# Altium PCB ROS-Robot-Controller焊接.PcbDoc (part 1 of 2)
Units mil, origin at the board's own origin, x right, y up, seen from the top; angles counter-clockwise.
Board outline 1972.2 x 2530.91 mil, 2 copper layers (Top Layer, Bottom Layer); 82 components, 85 nets, 425 pads, 289 vias.
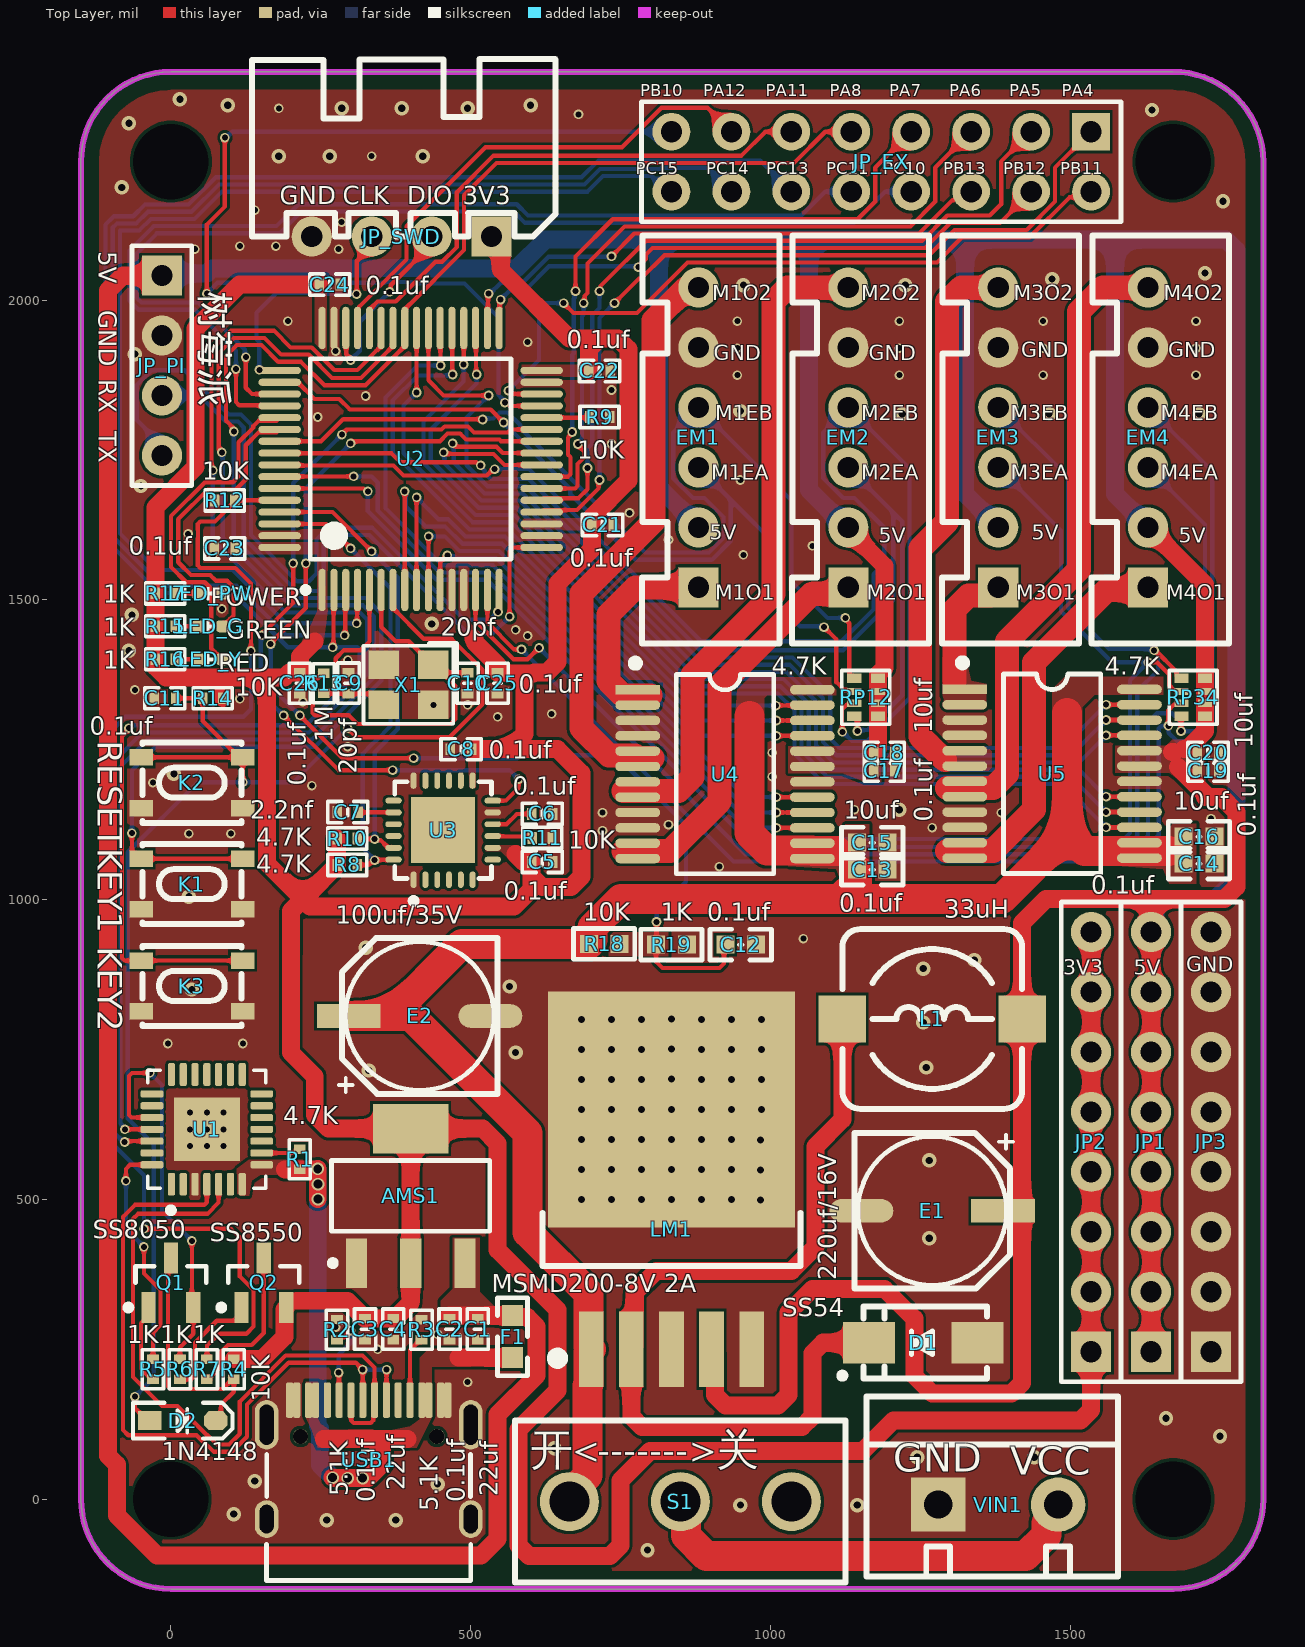
[diagram p0: Top Layer view]
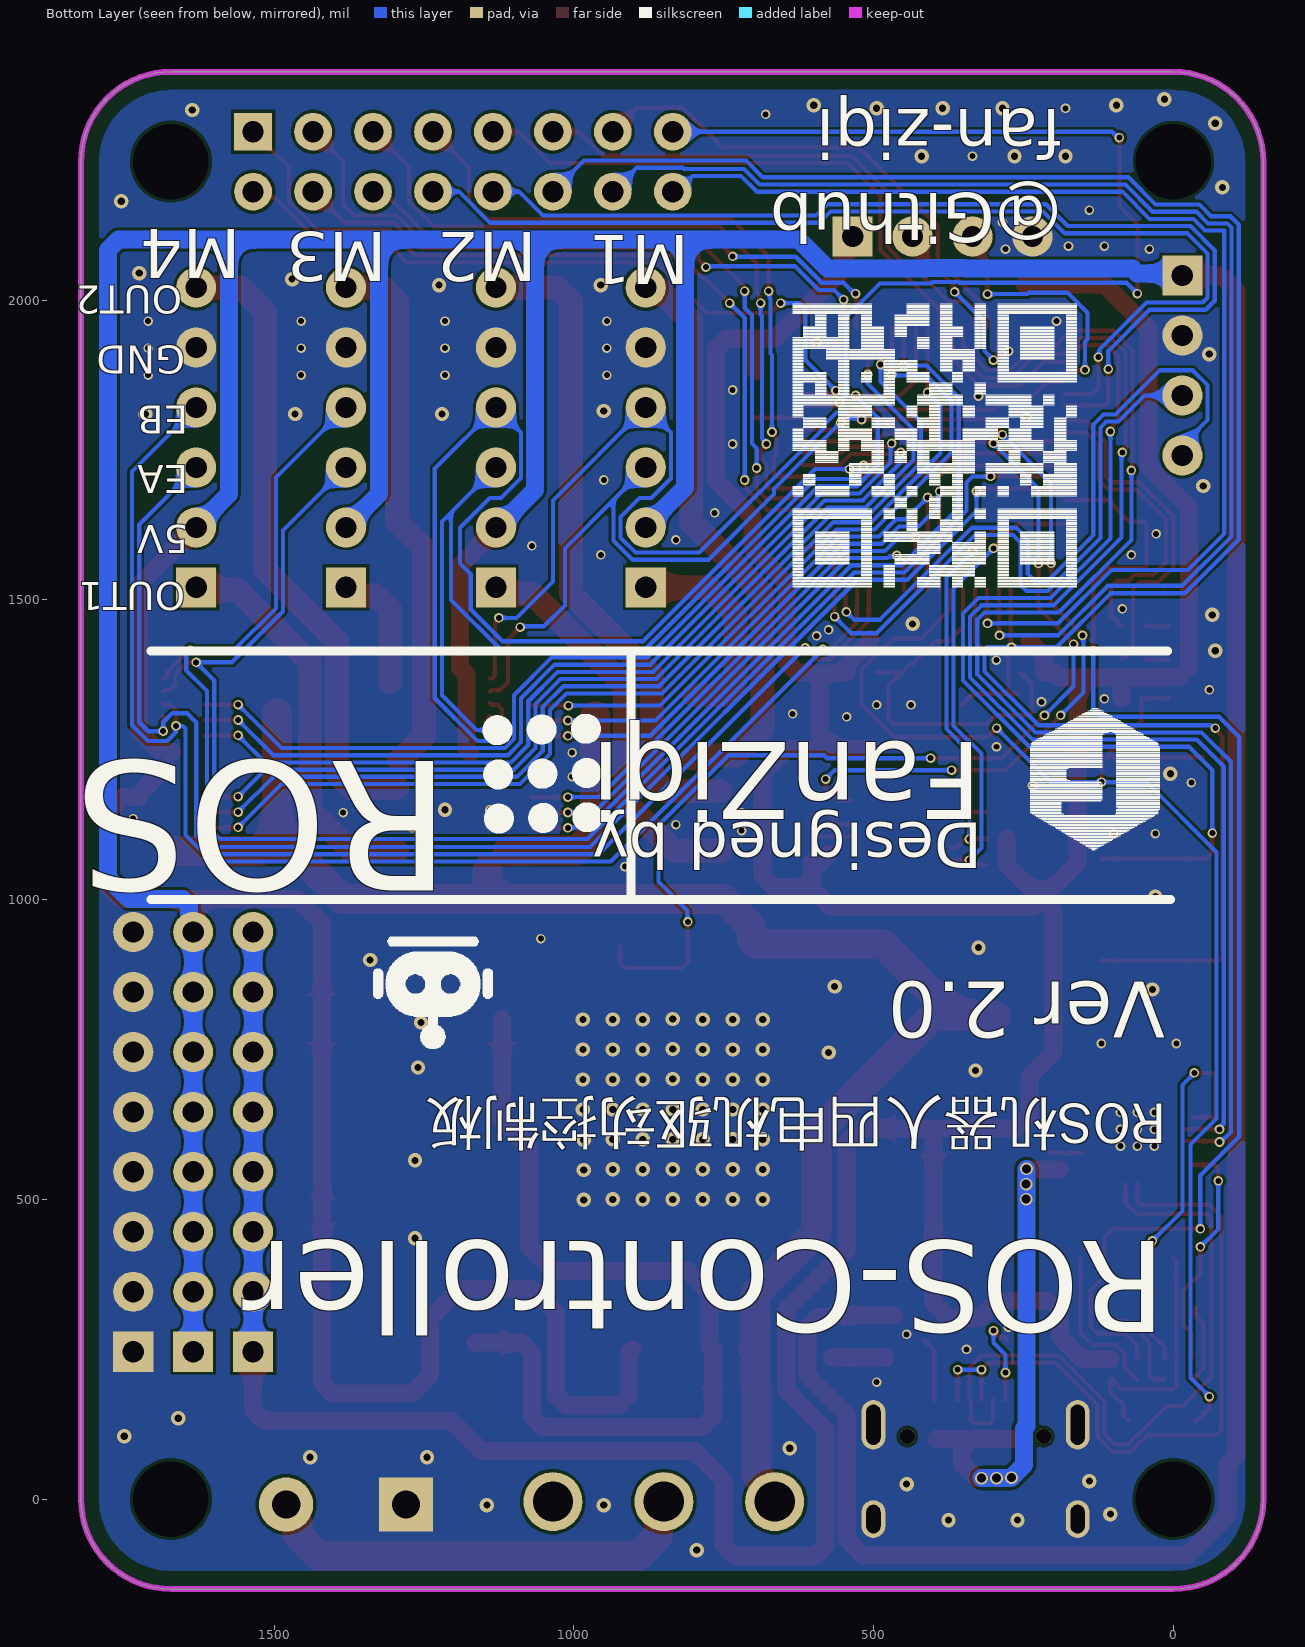
[diagram p1: Bottom Layer view, seen from below]

## Layer stack, top to bottom
Top Solder: solder mask 0.4, Solder Resist, Dk 3.5
Top Layer: signal copper 1.4
Dielectric 1: dielectric 12.6, FR-4, Dk 4.8
Bottom Layer: signal copper 1.4
Bottom Solder: solder mask 0.4, Solder Resist, Dk 3.5

## Board outline
-150,0 ccw(c0,0) 0,-150 1672.2,-150 ccw(c1672.2,0) 1822.2,0 1822.2,2230.91 ccw(c1672.2,2230.91) 1672.2,2380.91 0,2380.91 ccw(c0,2230.91) -150,2230.91

## Design rules (kind name [scope] priority, off if disabled: settings)
Clearance [All] p1: gap=5 ignorepadtopadclearanceinfootprint=FALSE except(0: Arc-Text Track-Text SMDPad-Text THPad-Text Via-Text Fill-Text Poly-Text Region-Text Text-Text Text-Hole)
ComponentClearance [All] p1: gap=0 collisioncheckmode=3 verticalgap=0 showdistances=FALSE
DiffPairsRouting [InDifferentialPairClass('USB')] p1: maxlimit=7 minlimit=5 mostfreqgap=6 toplayer_minwidth=4 toplayer_maxwidth=9 toplayer_prefwidth=4 bottomlayer_minwidth=4 bottomlayer_maxwidth=9 bottomlayer_prefwidth=4 maxuncoupledlength=500
FanoutControl Fanout_BGA [All] p1: bgadir=Out bgaviamode=Centered fanoutstyle=Auto fanoutdirection=Alternating viagrid=1 // Fanout_BGA (Default Rule)
HoleSize [All] p1: absolutevalues=TRUE maxlimit=235 minlimit=8 maxpercent=80.000 minpercent=20.000
MatchedLengths DiffPair_MatchedLengths [InDifferentialPair ('USB')] p1: tolerance=1000 checknetsindiffpair=FALSE checkdiffpairvsdiffpair=TRUE checkxsignals=TRUE checkothers=TRUE
MinimumSolderMaskSliver [All] p1 off: minsoldermaskwidth=2
NetsToIgnore [InNet('GND')] p1:
PlaneClearance [All] p1: clearance=8
PlaneConnect [All] p1: planeconnectstyle=Direct reliefexpansion=20 reliefentries=4 reliefconductorwidth=10 reliefairgap=10
PolygonConnect [All] p1: connectstyle=Direct reliefconductorwidth=10 reliefentries=4 polygonreliefangle="90 Angle" airgapwidth=10
RoutingVias [All] p1: holewidth=10 width=16 viastyle="Through Hole" minholewidth=6 minwidth=12 maxholewidth=28 maxwidth=50
SMDNeckDown [All] p1: percent=10000.000
SilkToSilkClearance [All] p1: silktosilkclearance=0
SilkToSolderMaskClearance [IsPad] p1: minsilkscreentomaskgap=0 clearancetoexposedcopper=TRUE
SolderMaskExpansion [All] p1: expansion=3 istentingtop=FALSE
Width [InNetClass('BuXian')] p1: maxlimit=7 minlimit=7 preferedwidth=7
Width MOTOR [InNetClass('MOTOR')] p2: maxlimit=40 minlimit=40 preferedwidth=40
Width VCC12V [InNetClass('VCC12V')] p3: maxlimit=50 minlimit=50 preferedwidth=50
Width VCC3V3 [InNetClass('VCC3V3')] p4: maxlimit=30 minlimit=30 preferedwidth=30
Width VCC5V [InNetClass('VCC5V')] p5: maxlimit=30 minlimit=30 preferedwidth=30
Width GND [InNet('GND')] p6: maxlimit=60 minlimit=60 preferedwidth=60
21 further rules are at their usual default settings.

## Classes and differential pairs
net class MOTOR: M1OUT1 M1OUT2 M2OUT1 M2OUT2 M3OUT1 M3OUT2 M4OUT1 M4OUT2
net class VCC5V: NetD1_2 USB_5V VCC5V
net class VCC3V3: VCC3V3
net class VCC12V: NetS1_2 VCC12V
net class BuXian: BOOT0 BOOT1 CP2102_D+ CP2102_D- DTR KEY1 KEY2 LED_G LED_Y M1EA M1EB M1IN1 M1IN2 M1PWM M2EA M2EB M2IN1 M2IN2 M2PWM M3EA M3EB M3IN1 M3IN2 M3PWM M4EA M4EB M4IN1 M4IN2 M4PWM MPU6050_INT MPU6050_SCL MPU6050_SDA NetC6_2 NetC7_1 NetD2_2 NetLED_G_1 NetLED_PW_1 NetLED_Y_1 NetQ1_1 NetQ2_1 NetQ2_3 NetR1_1 NetR2_2 NetR3_2 NetR11_2 OSCIN OSCOUT PA4 PA5 PA6 PA7 PA11 PA12 PB10 PB11 PB12 PB13 PC10 PC11 PC14 PC15 RESET RTS SWCLK SWDIO USART1_RX_DEBUG USART1_TX_DEBUG USART2_RX_PI USART2_TX_PI VIN_ADC

## Components (designator, comment, footprint, x,y, rotation, side; value= is the part's Value field where it differs from the comment)
AMS1 "AMS1117-3V3" SOT223_L 400,505.91 r90 top
C1 "22uf" C0402_L 512,283.62 r90 top
C2 "0.1uf" C0402_L 465,283.62 r90 top
C3 "0.1uf" C0402_L 324,283.62 r90 top
C4 "22uf" C0402_L 371,283.62 r90 top
C5 "0.1uf" C0402_L 619.64,1062.95 r180 top
C6 "0.1uf" C0402_L 619.64,1142.95 r180 top
C7 "2.2nf" C0402_L 295,1145.91 r180 top
C8 "0.1uf" C0402_L 484.09,1250.91 r180 top
C9 "20pf" C0402_L 296.34,1361.18 r90 top
C10 "20pf" C0402_L 495,1360.91 r270 top
C11 "0.1uf" C0402_L -10,1335.91 r0 top
C12 "0.1uf" C0603_L 950.59,925 r180 top
C13 "0.1uf" C0603_L 1170,1050 r180 top
C14 "0.1uf" C0603_L 1715,1060 r180 top
C15 "10uf" C0603_L 1170,1095 r180 top
C16 "10uf" C0603_L 1715,1105 r180 top
C17 "0.1uf" C0402_L 1190,1215 r0 top
C18 "10uf" C0402_L 1190,1245 r180 top
C19 "0.1uf" C0402_L 1730,1215 r0 top
C20 "10uf" C0402_L 1730,1245 r180 top
C21 "0.1uf" C0402_L 720,1625 r180 top
C22 "0.1uf" C0402_L 715,1881.81 r180 top
C23 "0.1uf" C0402_L 90,1585.91 r0 top
C24 "0.1uf" C0402_L 265,2025.91 r180 top
C25 "0.1uf" C0402_L 545,1360.91 r90 top
C26 "0.1uf" C0402_L 215,1360.91 r90 top
D1 "SS54" SMA 1255,260.91 r180 top
D2 "1N4148" SOD-323 20,130.91 r0 top
E1 "220uf/16V" "CE D(6.3*7.7)" 1270,480.91 r0 top
E2 "100uf/35V" "CE D(6.3*7.7)" 415,805.91 r180 top
EM1 "HDR-1X6" XH2.54-LI-6P 880,1770.91 r90 top
EM2 "HDR-1X6" XH2.54-LI-6P 1130,1770.91 r90 top
EM3 "HDR-1X6" XH2.54-LI-6P 1380,1770.91 r90 top
EM4 "HDR-1X6" XH2.54-LI-6P 1630,1770.91 r90 top
F1 "MSMD200-8V 2A" "FU 0603" 570,270.91 r90 top
JP1 "HDR-1X8" HDR2.54-LI-8P 1635,595.91 r90 top
JP2 "HDR-1X8" HDR2.54-LI-8P 1535,595.91 r90 top
JP3 "HDR-1X8" HDR2.54-LI-8P 1735,595.91 r90 top
JP_EX "Header 8X2" HDR2.54-LI-2x8P 1185,2230.9 r180 top
JP_PI "HDR-1X4" HDR2.54-LI-4P -15,1890.91 r270 top
JP_SWD "HDR-1X4" XH2.54-WI-4P 385,2105.91 r180 top
K1 "TACT 4P" SW-SMD_4P-L4.2-W3.3-P2.15-LS5.1 35,1025.91 r0 top value=3.4x3.5
K2 "TACT 4P" SW-SMD_4P-L4.2-W3.3-P2.15-LS5.1 35,1195 r0 top value=3.4x3.5
K3 "TACT 4P" SW-SMD_4P-L4.2-W3.3-P2.15-LS5.1 35,855.91 r0 top value=3.4x3.5
L1 "33uH" CDRH74 1270,800.91 r0 top
LED_G "红色" LED_0402_RED 65.83,1455.91 r0 top
LED_PW "红色" LED_0402_RED 65.83,1510.91 r0 top
LED_Y "红色" LED_0402_RED 65.83,1400.91 r0 top
LM1 "LM2596S" TO263-5A 835,240 r0 top
Q1 "SS8050" SOT23-3N 0,360.91 r90 top
Q2 "SS8550" SOT23-3N 155,360.91 r90 top
R1 "4.7K" R0402_L 215,566.81 r270 top
R2 "5.1K" R0402_L 277,282.64 r270 top
R3 "5.1K" R0402_L 418,282.64 r270 top
R4 "10K" R0402_L 105,216.81 r270 top
R5 "1K" R0402_L -30,216.81 r270 top
R6 "1K" R0402_L 15,216.81 r270 top
R7 "1K" R0402_L 60,216.81 r90 top
R8 "4.7K" R0402_L 294.02,1057.95 r180 top
R9 "10K" R0402_L 715,1805 r0 top
R10 "4.7K" R0402_L 294.02,1101.93 r180 top
R11 "10K" R0402_L 619.64,1102.95 r180 top
R12 "10K" R0402_L 90,1665.91 r180 top
R13 "1M" R0402_L 255,1360.91 r270 top
R14 "10K" R0402_L 70,1335.91 r0 top
R15 "1K" R0402_L -9.17,1455.91 r180 top
R16 "1K" R0402_L -9.17,1400.91 r180 top
R17 "1K" R0402_L -9.17,1510.91 r180 top
R18 "10K" R0603_L 722.69,926.23 r180 top
R19 "1K" R0603_L 835,925 r180 top
RP12 "4.7K" RCA-8P4R-0402 1159.69,1337.4 r270 top
RP34 "4.7K" RCA-8P4R-0402 1705.31,1337.4 r270 top
S1 "SS-12F23" SS-12D10 849.96,-4.09 r180 top
U1 "CP2102" QFN-28 60,616.81 r90 top value=Value
U2 "STM32F103RCT6" LQFP64_N 400,1735 r90 top
U3 "MPU6050" QFN-24 454.1,1115.9 r90 top
U4 "TB6612FNG" SSOP24_M 924.33,1209.29 r0 top
U5 "TB6612FNG" SSOP24_M 1470,1210 r0 top
USB1 "Type-C" Type-C-TOP 330,65.91 r270 top
VIN1 "HDR-1X2" KF301-5.0-2P 1480,-9.09 r0 top
X1 "8M" "OSC 3225-4P" 396.34,1358.46 r180 top

## Footprints (in the part's own frame and the unit in brackets; to place one, negate y for a bottom-side part, rotate by r counter-clockwise, add the part's x,y. Pads: shape width x height; smd on the part's side, far side on the other; paste and mask are expansions set on the pad)
C0402_L [mm] "无极性贴片电容"
  rect 0.4x0.5 smd: 1(-0.45,0) 2(0.45,0)
  silkscreen extent -0.85,-0.45 0.85,0.45, body extent -0.5,-0.26 0.5,0.26, height 0.54
C0603_L [mil] "无极性贴片电容"
  rect 30x30 smd: 1(-25.59,0) 2(25.59,0)
  silkscreen extent -51,-26 51,26, body extent -31,-16 32,16, height 33
CDRH74 [mm] "7.3*7.3*4.5mm（长宽高）"
  rect 2x2 smd: 1(-3.81,0) 2(3.81,0)
  silkscreen extent -3.81,-3.81 3.81,3.81, body extent -3.65,-3.65 3.65,3.65, height 4.52
"CE D(6.3*7.7)" [mm] "贴片电解电容，直径6.3mm，高7.7mm"
  rect 2.7x1 smd: 1(3,0)
  oval 2.7x1 smd: 2(-3,0)
  silkscreen extent -3.3,-3.3 3.43,3.3, body extent -3.5,-3.3 3.5,3.3, height 7.75
"FU 0603" [mil] "贴片保险丝"
  rect 35x35 smd: 1(-35,0) 2(35,0)
  silkscreen extent -65,-25 65,25, body extent -31,-16 32,16, height 20
HDR2.54-LI-2x8P [mm] "双排排针，8x2脚"
  rect 1.6x1.6 hole 0.9: 1(-8.89,-1.27)
  round 1.6 hole 0.9: 2(-8.89,1.27) 3(-6.35,-1.27) 4(-6.35,1.27) 5(-3.81,-1.27) 6(-3.81,1.27) 7(-1.27,-1.27) 8(-1.27,1.27) 9(1.27,-1.27) 10(1.27,1.27) 11(3.81,-1.27) 12(3.81,1.27) 13(6.35,-1.27) 14(6.35,1.27) 15(8.89,-1.27) 16(8.89,1.27)
  silkscreen extent -10.16,-2.54 10.16,2.54, body extent -10.16,-2.54 10.16,2.54, height 8.5
HDR2.54-LI-4P [mm] "排针，4脚"
  rect 1.7x1.7 hole 0.9: 1(-3.81,0)
  round 1.7 hole 0.9: 2(-1.27,0) 3(1.27,0) 4(3.81,0)
  silkscreen extent -5.08,-1.27 5.08,1.27, body extent -5.08,-1.27 5.08,1.27, height 2.54
HDR2.54-LI-8P [mm] "排针，8脚  淘宝ID:黄晶宝石   店铺网址:https://shop463601444.taobao.com"
  rect 1.7x1.7 hole 0.9: 1(-8.89,0)
  round 1.7 hole 0.9: 2(-6.35,0) 3(-3.81,0) 4(-1.27,0) 5(1.27,0) 6(3.81,0) 7(6.35,0) 8(8.89,0)
  silkscreen extent -10.16,-1.27 10.16,1.27, body extent -10.16,-1.27 10.16,1.27, height 2.54
KF301-5.0-2P [mm] "可拼接端子/6A"
  rect 2.3x2.3 hole 1.2: 1(-5.08,0)
  round 2.3 hole 1.2: 2(0,0)
  silkscreen extent -8.13,-3.05 2.54,4.57, body extent -7.95,-3 2.55,4.6, height 3.29
LED_0402_RED [mil]
  rrect50% 20x20 smd: 1(-20,0) 2(20,0)
  silkscreen extent -6,-11 6,10, body extent -20,-10 20,10, height 18
LQFP64_N [mm] "Thin QFP, 64-Leads, Body 10x10mm, Pitch 0.5mm, IPC Medium Density封装库来自淘宝 ID：黄晶宝石"
  oval 1.8x0.3 smd: 1(-5.55,3.75) 2(-5.55,3.25) 3(-5.55,2.75) 4(-5.55,2.25) 5(-5.55,1.75) 6(-5.55,1.25) 7(-5.55,0.75) 8(-5.55,0.25) 9(-5.55,-0.25) 10(-5.55,-0.75) 11(-5.55,-1.25) 12(-5.55,-1.75) 13(-5.55,-2.25) 14(-5.55,-2.75) 15(-5.55,-3.25) 16(-5.55,-3.75) 33(5.55,-3.75) 34(5.55,-3.25) 35(5.55,-2.75) 36(5.55,-2.25) 37(5.55,-1.75) 38(5.55,-1.25) 39(5.55,-0.75) 40(5.55,-0.25) 41(5.55,0.25) 42(5.55,0.75) 43(5.55,1.25) 44(5.55,1.75) 45(5.55,2.25) 46(5.55,2.75) 47(5.55,3.25) 48(5.55,3.75)
  oval 0.3x1.8 smd: 17(-3.75,-5.55) 18(-3.25,-5.55) 19(-2.75,-5.55) 20(-2.25,-5.55) 21(-1.75,-5.55) 22(-1.25,-5.55) 23(-0.75,-5.55) 24(-0.25,-5.55) 25(0.25,-5.55) 26(0.75,-5.55) 27(1.25,-5.55) 28(1.75,-5.55) 29(2.25,-5.55) 30(2.75,-5.55) 31(3.25,-5.55) 32(3.75,-5.55) 49(3.75,5.55) 50(3.25,5.55) 51(2.75,5.55) 52(2.25,5.55) 53(1.75,5.55) 54(1.25,5.55) 55(0.75,5.55) 56(0.25,5.55) 57(-0.25,5.55) 58(-0.75,5.55) 59(-1.25,5.55) 60(-1.75,5.55) 61(-2.25,5.55) 62(-2.75,5.55) 63(-3.25,5.55) 64(-3.75,5.55)
  silkscreen extent -5.67,-4.25 4.25,4.57, body extent -6,-6 6,6, height 1.45
"OSC 3225-4P" [mm] "3.2*2.5*0.7mm(长宽高)"
  rect 1.3x1.2 smd: 1(-1.05,-0.85) 2(1.05,-0.85) 3(1.05,0.85) 4(-1.05,0.85)
  silkscreen extent -2.03,-1.75 1.91,1.65, body extent -1.6,-1.25 1.6,1.25, height 0.7
QFN-24 [mm] "QFN, 24-Leads, Body 4.1x4.1mm (max), Pitch 0.50mm, IPC Low Density"
  oval 0.7x0.25 smd: 1(-2.1,1.25) 2(-2.1,0.75) 3(-2.1,0.25) 4(-2.1,-0.25) 5(-2.1,-0.75) 6(-2.1,-1.25) 13(2.1,-1.25) 14(2.1,-0.75) 15(2.1,-0.25) 16(2.1,0.25) 17(2.1,0.75) 18(2.1,1.25)
  oval 0.25x0.7 smd: 7(-1.25,-2.1) 8(-0.75,-2.1) 9(-0.25,-2.1) 10(0.25,-2.1) 11(0.75,-2.1) 12(1.25,-2.1) 19(1.25,2.1) 20(0.75,2.1) 21(0.25,2.1) 22(-0.25,2.1) 23(-0.75,2.1) 24(-1.25,2.1)
  rect 2.8x2.7 smd: ""(0,0)
  silkscreen extent -3.12,-2.05 2.05,2.05, body extent -2.02,-2.02 2.02,2.02, height 0.95
QFN-28 [mil]
  rrect50% 38x12 smd mask+5: 1(-91.5,59.05) 2(-91.5,39.37) 3(-91.5,19.68) 4(-91.5,0) 5(-91.5,-19.69) 6(-91.5,-39.37) 7(-91.5,-59.06) 15(91.5,-59.06) 16(91.5,-39.37) 17(91.5,-19.69) 18(91.5,0) 19(91.5,19.68) 20(91.5,39.37) 21(91.5,59.05)
  rrect50% 12x38 smd mask+5: 8(-59.05,-91.5) 9(-39.37,-91.5) 10(-19.68,-91.5) 11(0,-91.5) 12(19.69,-91.5) 13(39.37,-91.5) 14(59.06,-91.5) 22(59.06,91.5) 23(39.37,91.5) 24(19.69,91.5) 25(0,91.5) 26(-19.68,91.5) 27(-39.37,91.5) 28(-59.05,91.5)
  rect 106.3x110.24 smd: 29(0,0)
  silkscreen extent -140,-98 99,98, body extent -98,-98 98,98, height 35
R0402_L [mm] "1/16W贴片电阻"
  rect 0.4x0.5 smd: 1(-0.425,0) 2(0.425,0)
  silkscreen extent -0.83,-0.45 0.83,0.45, body extent -0.5,-0.25 0.5,0.25, height 0.3
R0603_L [mil] "1/10W贴片电阻"
  rect 30x30 smd: 1(-25.59,0) 2(25.59,0)
  silkscreen extent -51,-26 51,26, body extent -31,-16 32,16, height 16
RCA-8P4R-0402 [mm] "2mm*1mm*0.45mm(长*宽*厚)             淘宝ID:黄晶宝石"
  rect 0.4x0.6 smd: 1(-0.8,-0.5) 4(0.8,-0.5) 5(0.8,0.5) 8(-0.8,0.5)
  rect 0.3x0.6 smd: 2(-0.25,-0.5) 3(0.25,-0.5) 6(0.25,0.5) 7(-0.25,0.5)
  silkscreen extent -1.14,-1.02 1.15,1.01, body extent -1,-0.5 1,0.5, height 0.45
SMA [mm] "4.5x2.6*2.2mm（长宽高，不包括引脚）"
  rect 2.2x1.75 smd: 1(-2.3,0) 2(2.3,0)
  silkscreen extent -2.7,-1.52 3.56,1.52, body extent -2.55,-1.3 2.55,1.3, height 2.15
SOD-323 [mm] "1.8x1.3X0.9mm（长宽高，不包括引脚）"
  rect 1x0.8 smd: 1(-1.4,0)
  oct 1x0.8 smd: 2(1.4,0)
  silkscreen extent -2.11,-0.76 2.11,0.76, body extent -1.32,-0.65 1.32,0.65, height 0.95
SOT23-3N [mm] "SOT23, 3-Leads, Body 2.9x1.3mm, Pitch 0.95mm, Lead Span 2.4mm, IPC Medium Density"
  rect 1.3x0.6 smd: 1(-1.05,0.95) 2(-1.05,-0.95) 3(1.05,0)
  silkscreen extent -1.17,-1.5 0.7,1.92, body extent -1.2,-1.5 1.2,1.5, height 1.05
SOT223_L [mm] "SOT223, 4-Leads, Body 6.5x3.5mm, Pitch 2.3mm, Lead Span 7mm, IPC High Density"
  rect 2.1x0.9 smd: 1(-2.85,2.3) 2(-2.85,0) 3(-2.85,-2.3)
  rect 2.1x3.2 smd: 4(2.85,0)
  silkscreen extent -2.97,-3.35 1.5,3.42, body extent -1.85,-3.35 1.85,3.35, height 1.7
SS-12D10 [mm] "脚距3mm      淘宝ID:黄晶宝石"
  round 2.5 hole 1.7: 1(-4.7,0) 2(0,0) 3(4.7,0)
  silkscreen extent -7,-3.43 7,3.43, body extent -7,-3.1 7,3.1, height 9.65
SSOP24_M [mm] "8.3*7.8*1.6（长宽高）"
  rect 1.9x0.4 smd: 1(-3.7,3.575)
  oval 1.9x0.4 smd: 2(-3.7,2.925) 3(-3.7,2.275) 4(-3.7,1.625) 5(-3.7,0.975) 6(-3.7,0.325) 7(-3.7,-0.325) 8(-3.7,-0.975) 9(-3.7,-1.625) 10(-3.7,-2.275) 11(-3.7,-2.925) 12(-3.7,-3.575) 13(3.7,-3.575) 14(3.7,-2.925) 15(3.7,-2.275) 16(3.7,-1.625) 17(3.7,-0.975) 18(3.7,-0.325) 19(3.7,0.325) 20(3.7,0.975) 21(3.7,1.625) 22(3.7,2.275) 23(3.7,2.925) 24(3.7,3.575)
  silkscreen extent -3.93,-4.23 2.07,4.83, body extent -3.85,-4.15 3.85,4.15, height 1.65
SW-SMD_4P-L4.2-W3.3-P2.15-LS5.1 [mm]
  rect 1x0.7 smd: 1(-2.15,1.075) 2(2.15,1.075) 3(-2.15,-1.075) 4(2.15,-1.075)
  silkscreen extent -2.1,-1.7 2.1,1.7
TO263-5A [mm] "263，5脚晶体管"
  rect 1.05x3.2 smd: 1(-3.4,0.254) 2(-1.7,0.254) 3(0,0.254) 4(1.7,0.254) 5(3.4,0.254)
  rect 10.45x10 smd: 6(0,10.414)
  silkscreen extent -5.46,-0.33 5.46,6.04, body extent -5,0.24 5,13.57, height 4.5
Type-C-TOP [mm]
  round 0.65 hole 0.65: 0(-0.98,2.89) 0(-0.98,-2.89)
  oval 1.6x1 hole 0.6 slot 1.2 at 0 deg: 1(2.52,4.325) 2(2.52,-4.325)
  oval 2.1x1 hole 0.6 slot 1.7 at 0 deg: 3(-1.48,-4.325) 4(-1.48,4.325)
  rrect50% 1.5x0.3 smd: A1(-2.52,-3.35) A4(-2.52,-2.55) A5(-2.52,-1.25) A6(-2.52,-0.25) A7(-2.52,0.25) A8(-2.52,1.25) A9(-2.52,2.55) A12(-2.52,3.35) B1(-2.52,3.05) B4(-2.52,2.25) B5(-2.52,1.75) B6(-2.52,0.75) B7(-2.52,-0.75) B8(-2.52,-1.75) B9(-2.52,-2.25) B12(-2.52,-3.05)
  silkscreen extent -0.22,-4.33 5.12,4.32, body extent -2.57,-4.48 5.18,4.48, height 3.26
XH2.54-LI-6P [mm] "接插件，6P"
  rect 1.7x1.7 hole 0.9: 1(-6.35,0)
  round 1.7 hole 0.9: 2(-3.81,0) 3(-1.27,0) 4(1.27,0) 5(3.81,0) 6(6.35,0)
  silkscreen extent -8.74,-3.43 8.56,2.39, body extent -8.85,-3.3 8.85,2.4, height 7.05
XH2.54-WI-4P [mm] "接插件，4P"
  rect 1.7x1.7 hole 0.9: 1(-3.81,0)
  round 1.7 hole 0.9: 2(-1.27,0) 3(1.27,0) 4(3.81,0)
  silkscreen extent -6.53,-7.53 6.35,0, body extent -6.31,-7.5 6.31,0.2, height 2.89

## Part data
AMS1: library part AMS1117, "三端稳压芯片", BOM名称=稳压芯片, 封装库来自淘宝卖家 ID：黄晶宝石=其他店铺购入均为盗版，请立即申请退款，本店现金奖励5~20元, 联系卖家 免费查找封装=唯一出售店铺网址https://shop463601444.taobao.com
C1 C2 C3 C4 C5 C6 C7 C8 C9 C10 C11 C12 C13 C14 C15 C16 C17 C18 C19 C20 C21 C22 C23 C24 C25 C26: library part C, "贴片电容", BOM名称=无极性贴片电容, 封装库来自淘宝卖家ID：黄晶宝石=其他店铺购入均为盗版假冒封装库，请立即申请退款, 联系卖家，免费查找封装=唯一出售店铺网址https://shop463601444.taobao.com
D1: library part SS14, "肖特基二极管(5A/40V)", BOM名称=肖特基二极管, 属性=40V/1A, 联系卖家，免费查找封装=唯一出售店铺网址https://shop463601444.taobao.com
D2: "开关二极管", BOM名称=高速开关二极管, 联系卖家，免费查找封装=唯一出售店铺网址https://shop463601444.taobao.com
E1 E2: library part CE_SMD, "贴片电解电容", BOM名称=贴片电解电容, 封装库来自淘宝卖家ID：黄晶宝石=其他店铺购入均为盗版假冒封装库，请立即申请退款, 联系卖家，免费查找封装=唯一出售店铺网址https://shop463601444.taobao.com
EM1 EM2 EM3 EM4: library part "Header 6", "6P接插件", BOM名称=6P接插件, 封装库来自淘宝卖家 ID：黄晶宝石=其他店铺购入均为盗版假冒封装库, 联系卖家，免费查找封装=唯一出售店铺网址https://shop463601444.taobao.com
F1: library part FU, "贴片保险丝", BOM名称=贴片保险丝, 联系卖家，免费查找封装=唯一出售店铺网址https://shop463601444.taobao.com
JP1 JP2 JP3: library part "Header 8", "8P接插件", BOM名称=8P接插件, 封装库来自淘宝卖家 ID：黄晶宝石=其他店铺购入均为盗版假冒封装库, 联系卖家，免费查找封装=唯一出售店铺网址https://shop463601444.taobao.com
JP_EX: "8*2P接插件", BOM名称=8*2P接插件, 封装库来自淘宝卖家 ID：黄晶宝石=其他店铺购入均为盗版假冒封装库, 联系卖家，免费查找封装=唯一出售店铺网址https://shop463601444.taobao.com
JP_PI JP_SWD: library part "Header 4", "4P接插件", BOM名称=4P接插件, 封装库来自淘宝卖家 ID：黄晶宝石=其他店铺购入均为盗版假冒封装库, 联系卖家，免费查找封装=唯一出售店铺网址https://shop463601444.taobao.com
K1 K2 K3: library part ButtonTACT, "Button", Type="TACT 4P"
L1: library part L-CDRH, "CDRH功率屏蔽电感", BOM名称=功率屏蔽电感, 封装库来自淘宝卖家ID：黄晶宝石=其他店铺购入均为盗版假冒封装库，请立即申请退款, 联系卖家，免费查找封装=唯一出售店铺网址https://shop463601444.taobao.com
LED_G LED_PW LED_Y: library part LED-SMD, "贴片LED", BOM名称=贴片LED, 封装库来自淘宝卖家 ID：黄晶宝石=其他店铺购入均为假冒，请立即申请退款，本店奖励现金5~20元
LM1: "3A DC-DC降压芯片", BOM名称=DC降压芯片, 封装库来自淘宝卖家 ID：黄晶宝石=其他店铺购入均为盗版，请立即申请退款，本店现金奖励5~20元, 联系卖家 免费查找封装=唯一出售店铺网址https://shop463601444.taobao.com
Q1: library part 8050-SMD, "高频放大-NPN型", BOM名称=高频放大-NPN型, 参数="40V 1.5A 1W 100MHZ", 封装库来自淘宝卖家 ID：黄晶宝石=其他店铺购入均为盗版，不享受售后技术支持服务，请立即申请退款, 联系卖家，免费查找封装=唯一出售店铺网址https://shop463601444.taobao.com
Q2: library part 8550-SMD, "高频放大-PNP型", BOM名称=高频放大-PNP型, 参数="40V 1.5A 1W 100MHZ", 封装库来自淘宝卖家 ID：黄晶宝石=其他店铺购入均为盗版，不享受售后技术支持服务，请立即申请退款, 联系卖家，免费查找封装=唯一出售店铺网址https://shop463601444.taobao.com
R1 R2 R3 R4 R5 R6 R7 R8 R9 R10 R11 R12 R13 R14 R15 R16 R17 R18 R19: library part R, "贴片电阻", BOM名称=贴片电阻, 封装库来自淘宝卖家ID：黄晶宝石=其他店铺购入均为盗版假冒封装库，请立即申请退款, 联系卖家，免费查找封装=唯一出售店铺网址https://shop463601444.taobao.com
RP12 RP34: library part R-8P4R, "贴片4P排阻", BOM名称=贴片网络排阻, 封装库来自淘宝卖家ID：黄晶宝石=其他店铺购入均为盗版假冒封装库，请立即申请退款, 联系卖家，免费查找封装=唯一出售店铺网址https://shop463601444.taobao.com
S1: library part SSW-1P, "1路波动开关", BOM名称=波动开关, 联系卖家，免费查找封装=唯一出售店铺网址https://shop463601444.taobao.com
U1: "USB转TTL", MFG #1="SILICON LABS", PART DESC="SINGLE-CHIP USB TO UART BRIDGE, QFN28, RoHS.", PART NUMBER=CP2102, RefDes=RefDes, Type=DEV
U2: "STM32 ARM-based 32-bit MCU Performance Line with 256 kB Flash, 48 kB Internal RAM, -40 to +85癈 Temperature, 64-Pin LQFP, Tray", ComponentLink1Description="Manufacturer URL", ComponentLink1URL=http://www.st.com/, ComponentLink2Description="STM32F103 Datasheet", ComponentLink2URL=http://www.st.com/internet/com/TECHNICAL_RESOURCES/TECHNICAL_LITERATURE/DATASHEET/CD00191185.pdf, ComponentLink3Description="STM32 Family Web Page", ComponentLink3URL=www.st.com/stm32, DatasheetVersion="rev8.0, Apr-2011", PackageDescription="64-Pin Low-Profile Quad Flat Pack, 10 x 10 mm Body, 0.5 mm Pitch (LQFP64)", PackageReference=LQFP64, PackageVersion="rev13, Apr-2011", 联系卖家，免费查找封装=唯一出售店铺网址https://shop463601444.taobao.com
U3: "六轴传感器"
U4 U5: "电机驱动", BOM名称=TB6612FNG, 联系卖家，免费查找封装=唯一出售店铺网址https://shop463601444.taobao.com
USB1: library part USB-Type-C-TOP
VIN1: library part "Header 2", "2P接插件", BOM名称=2P接插件, 封装库来自淘宝卖家 ID：黄晶宝石=其他店铺购入均为盗版假冒封装库, 联系卖家，免费技术支持=唯一出售店铺网址https://shop463601444.taobao.com
X1: library part XTAL-4P, "4脚无源晶振", BOM名称=4脚无源晶振, 联系卖家，免费查找封装=唯一出售店铺网址https://shop463601444.taobao.com

## Free pads (board coordinates)
  round 0 hole 125.98: 5(0,0) 5(0,2230.91) 5(1672.2,0) 5(1672.2,2230.91)

## Via types
v1: diameter 16, hole 10, Top Layer to Bottom Layer, tented both sides, 181 vias
v2: diameter 24, hole 12, Top Layer to Bottom Layer, tented both sides, 102 vias
v3: diameter 21, hole 15, Top Layer to Bottom Layer, tented both sides, 6 vias

## Nets (pads, with @x,y where several pads share a name; then routed paths per layer and width w, separated by ;. In a path a pad name is that pad's centre, name@x,y a point inside that pad or via, vN(x,y) a via of type N, cw(c..) or ccw(c..) an arc to the next point about the centre after c; other vN are vias at no path point)
BOOT0: R7.2 R12.1 U2.60 | length 2081.1
  Top Layer w7: v1(-45,450.91) 100,450.91 115,435.91 115,371.59 137.91,348.68 137.91,287.92 125.9,275.91 80,275.91 60.47,256.38 60.47,234.02 R7.2@60,233.54 ; R12.1@106.73,1665.9 106.73,1663.94 73.7,1630.91 49.1,1630.91 45,1626.8 45,1617.07 45.24,1616.83 45.24,1603.17 45,1602.93 45,1557.51 49.1,1553.41 107.5,1553.41 133.5,1527.41 v1(133.5,1415) ; R12.1@106.73,1666.1 U2.60@181.5,1666.1
  Bottom Layer w7: v1(-45,450.91) -45,540.34 -110,605.34 -110,1270.91 -75.91,1305 120.9,1305 133.5,1317.6 v1(133.5,1415)
BOOT1: R9.1 U2.28 | length 80.2
  Top Layer w7: U2.28@618.5,1803.9 697.16,1803.9 R9.1@698.27,1805
CP2102_D+: U1.4 USB1.A6 USB1.B6 | length 1190.3
  Top Layer w7: U1.4@60,525.31 60,495.19 55.72,490.91 -60,490.91 -80,470.91 -80,115.46 -71.03,106.49 42.98,106.49 54.82,94.66 55.94,94.66 71.7,78.91 101.84,78.91 127,104.07 127,157.91 196.5,227.41 308.5,227.41 320.08,215.83 USB1.A6@320.08,165.2 ; USB1.B6@359.53,165.12 359.76,165.36 359.76,215.67 v1(360,215.91)
  Bottom Layer w7: v1(320,215.91) v1(360,215.91)
CP2102_D-: U1.5 USB1.A7 USB1.B7 | length 1163.8
  Top Layer w7: U1.5@79.69,525.31 79.69,494.69 60.9,475.91 -55,475.91 -63.3,467.6 -63.3,203.65 -14.81,155.15 11.29,155.15 59.79,106.66 60.92,106.66 76.67,90.91 96.87,90.91 115,109.04 115,162.88 191.53,239.41 319.83,239.41 339.84,219.4 USB1.A7@339.84,165.12 337.44,162.71 337.44,130.91 333.34,126.81 304.92,126.81 300.81,130.91 300.81,164.78 USB1.B7@300.47,165.12
DTR: R5.1 U1.28 | length 393
  Top Layer w7: v1(-75,530.91) -75,550.91 -68.15,557.76 U1.28@-31.5,557.76 ; v1(-45,420.91) -45,376.59 -17.09,348.68 -17.09,290.45 -30,277.55 R5.1@-30,233.54
  Bottom Layer w7: v1(-75,530.91) -75,450.91 v1(-45,420.91)
GND: AMS1.1 C1.1 C2.1 C3.1 C4.1 C5.1 C6.1 C7.2 C8.2 C9.2 C10.2 C11.1 C12.1 C13.1 C14.1 C15.1 C16.1 C17.2 C18.1 C19.2 C20.1 C21.1 C22.1 C23.1 C24.1 C25.1 C26.1 D1.1 E1.2 E2.2 EM1.5 EM2.5 EM3.5 EM4.5 JP3.1 JP3.2 JP3.3 JP3.4 JP3.5 JP3.6 JP3.7 JP3.8 JP_PI.2 JP_SWD.4 K1.3 K1.4 K2.3 K2.4 K3.3 K3.4 LED_PW.2 LM1.3 LM1.5 LM1.6 R2.1 R3.1 R9.2 R11.1 R12.2 R19.1 U1.3 U1.29 U2.12 U2.18 U2.31 U2.47 U2.63 U3.1 U3.11 U3.18 U4.3 U4.4 U4.9 U4.10 U4.18 U5.3 U5.4 U5.9 U5.10 U5.18 USB1.1 USB1.2 USB1.3 USB1.4 USB1.A1 USB1.A12 USB1.B1 USB1.B12 VIN1.1 X1.2 X1.4
  other v1: 495,195 345,250 445,275 275,286.78 31.81,588.62 60,588.62 88.19,588.62 31.81,616.81 60,616.81 88.19,616.81 31.81,645 60,645 88.19,645 -5,760 120,760 1055,935 915,1055 30,1110 100,1110 720,1115 1270,1120 830,1125 1735,1135 720,1145 1385,1145 1140,1150 235,1190 -30,1195 1003,1205 1003,1245 295,1255 545,1305 635,1310 437.68,1325 495,1325 220,1330 115,1335 -60,1350 295.38,1399.62 595,1440 575,1450 85,1485 70,1575 955,1575 1070,1590 830,1600 28.74,1610 765,1645 950,1700 735,1760 245,1805 325,1840 735,1850 945,1875 1215,1875 1455,1875 1710,1875 275,1915 945,1920 1215,1920 1455,1920 1710,1920 595,1930 195,1965 945,1965 1215,1965 1455,1965 1710,1965 40,2085 280,2085 115,2090 175,2090 285,2130 140,2150 335,2240 680,2310 180,2320
  other v2: 795,-85 260,-35 375,-35 105,-25 950,-10 1145,-10 445,25 140,30 1245,70 1440,70 640,85 1750,105 1660,135 1265,435 983.66,499.07 685,500 735,500 785,500 835,500 885,500 935,500 983.66,549.07 685,550 735,550 785,550 835,550 885,550 935,550 1265,565 983.66,599.07 685,600 735,600 785,600 835,600 885,600 935,600 685,650 735,650 785,650 835,650 885,650 935,650 985,650 685,700 735,700 785,700 885,700 935,700 985,700 834.99,700.82 330,715 1260,720 575,745 685,750 735,750 785,750 885,750 935,750 985,750 834.99,750.82 1255,795 685,800 735,800 785,800 885,800 935,800 985,800 834.99,800.82 35,850 565,855 1255,885 1339.92,899.34 325,920 30,1005 1215,1150 5,1210 -70,1415 435,1460 -65,1475 -50,1690 1220,1810 1465,1810 1715,1810 950,1815 -60,1910 955,2025 1225,2025 1470,2035 1725,2045 1755,2165 -81.86,2188.03 180,2240 265,2240 420,2240 -70,2295 1636.49,2317.09 285,2320 385,2320 495,2320 95,2325 600,2325 15,2335
KEY1: JP_EX.9 K1.1 K1.2 U2.41 | length 2866.3
  Top Layer w7: v1(-65,1110.91) -65,1078.51 -54.72,1068.23 K1.2@119.65,1068.23 ; v1(105,1780.91) 105,1785.91 92,1798.91 92,1907 110,1925 151.1,1925 179.05,1897.04 216.99,1897.04 256.03,1858 324.87,1858 390.16,1923.29 U2.41@390.16,1953.5 390.16,1984.33 392.56,1986.74 392.56,1987.15 488.96,2083.55 488.96,2174.87 543,2228.91 1039.57,2228.91 1091.56,2280.91 JP_EX.9@1135,2280.91
  Bottom Layer w7: v1(-65,1110.91) -65,1215.79 -25.88,1254.91 240.17,1254.91 351,1365.74 351,1477.18 325.28,1502.91 204.72,1502.91 105,1602.63 v1(105,1780.91)
KEY2: JP_EX.12 K3.1 K3.2 U2.2 | length 3383.1
  Top Layer w7: v1(-70,1285.91) -70,1283.47 -81.5,1271.97 -81.5,902.33 -77.4,898.23 K3.1@-49.64,898.23 K3.2@119.65,898.23 ; v1(270,1420.91) 271.13,1422.03 271.13,1515.58 U2.2@272.05,1516.5
  Bottom Layer w7: v1(-70,1285.91) -67.56,1285.91 -62.56,1290.91 225.26,1290.91 315,1380.65 315,1416.8 310.9,1420.91 v1(270,1420.91) 194.99,1420.91 104.96,1510.94 -18.97,1510.94 -109,1600.96 -109,2125.85 -94.94,2139.91 -62.83,2139.91 -43.32,2159.41 29.61,2159.41 75.1,2204.91 685.06,2204.91 713.06,2232.9 983,2232.9 JP_EX.12@1035,2180.91
LED_G: LED_G.2 U2.54 | length 519.4
  Top Layer w7: LED_G.2@85.83,1455.91 86.64,1455.91 104.33,1473.59 104.33,1521.5 93.92,1531.91 75.06,1531.91 65.56,1541.41 33.59,1541.41 12.24,1562.76 12.24,1634.61 61.87,1684.25 108.31,1684.25 125,1700.94 125,1757.93 146,1778.93 176.22,1778.93 U2.54@181.5,1784.21
LED_Y: LED_Y.2 U2.53 | length 576.8
  Top Layer w7: LED_Y.2@85.83,1400.91 85.32,1400.91 67.33,1418.89 67.33,1518.5 56.42,1529.41 25.59,1529.41 0.24,1554.76 0.24,1639.58 56.9,1696.25 103.34,1696.25 113,1705.91 113,1762.9 137.56,1787.47 137.56,1790.18 146,1798.62 176.22,1798.62 U2.53@181.5,1803.9
M1EA: EM1.3 RP12.2 U2.50 | length 1474
  Top Layer w7: U2.50@181.5,1862.95 211.71,1862.95 239.66,1835 280.91,1835 298.5,1817.41 533.5,1817.41 v1(555,1795.91) ; v1(1089.51,1454.66) 1110,1434.17 1110,1362.72 1123.07,1349.65 1137.59,1349.65 RP12.2@1140,1347.24
  Bottom Layer w7: v1(555,1795.91) 666.11,1684.8 666.11,1676.33 775.49,1566.94 902.35,1566.94 933.96,1598.55 933.96,1666.94 ; EM1.3@880,1720.91 933.96,1666.94 ; v1(1089.51,1454.66) 1088.26,1455.91 1049.6,1455.91 1015,1490.51 1015,1585.91 933.96,1666.94
M1EB: EM1.4 RP12.1 U2.55 | length 1730.3
  Top Layer w7: U2.55@181.5,1764.53 250.59,1764.53 287.47,1801.41 519.5,1801.41 v1(520,1800.91) ; v1(1125,1470) 1125,1467.56 1131.69,1460.88 1131.69,1373.27 1136.06,1368.9 RP12.1@1140,1368.9
  Bottom Layer w7: v1(520,1800.91) 521.72,1802.63 538.16,1802.63 547.94,1812.41 561.83,1812.41 582.84,1791.4 582.84,1786.91 790.81,1578.94 897.38,1578.94 921.96,1603.52 921.96,1638.29 890.25,1670 870.91,1670 838.04,1702.87 838.04,1778.94 EM1.4@880,1820.91 1035,1665.91 1035,1530.59 1095.59,1470 v1(1125,1470)
M1IN1: U2.8 U4.21 | length 1027
  Top Layer w7: v1(390,1680.91) 390.16,1680.75 U2.8@390.16,1516.5 ; v1(1010,1273.27) U4.21@1070,1273.27
  Bottom Layer w7: v1(390,1680.91) 391.72,1679.18 391.72,1655.85 425.17,1622.41 457.43,1622.41 486.24,1593.6 552.16,1593.6 872.49,1273.27 v1(1010,1273.27)
M1IN2: U2.9 U4.22 | length 968.6
  Top Layer w7: U2.9@409.84,1516.5 409.84,1599.08 409.84,1670.75 v1(410,1670.91) ; v1(1010,1298.86) U4.22@1070,1298.86
  Bottom Layer w7: v1(410,1670.91) 446.5,1634.41 462.4,1634.41 491.21,1605.6 557.13,1605.6 863.87,1298.86 v1(1010,1298.86)
M1OUT1: EM1.1 U4.1 U4.2 | length 546.2
  Top Layer w40: EM1.1@880,1520.91 775,1520.91 730,1475.91 730,1364.34 753.43,1340.91 ; 753.43,1340.91 800,1340.91 ; 753.43,1340.91 800,1340.91 ; 753.43,1340.91 800,1340.91 ; 753.43,1340.91 800,1340.91 ; 753.43,1340.91 800,1340.91
M1OUT2: EM1.6 U4.5 U4.6 | length 1066.7
  Top Layer w40: EM1.6@880,2020.91 879.39,2020.3 859.7,2020.3 805,1965.6 805,1630.91 685,1510.91 685,1285.91 730.51,1240.39 774.17,1240.39 778.66,1235.91 ; 778.66,1235.91 803.66,1235.91 ; 778.66,1235.91 803.66,1235.91 ; 778.66,1235.91 803.66,1235.91 ; 778.66,1235.91 803.66,1235.91 ; 778.66,1235.91 803.66,1235.91
M1PWM: U2.37 U4.23 | length 1157.9
  Top Layer w7: U2.37@468.9,1953.5 469.45,1952.95 469.45,1876.46 v1(470,1875.91) ; v1(1009.13,1323.58) 1009.57,1324.02 1069.57,1324.02 U4.23@1070,1324.45
  Bottom Layer w7: v1(470,1875.91) 468.5,1874.41 411.97,1874.41 369.96,1832.39 369.96,1746.01 498.37,1617.6 562.1,1617.6 856.11,1323.58 v1(1009.13,1323.58)
M2EA: EM2.3 RP12.4 U2.56 | length 1888.2
  Top Layer w7: U2.56@181.5,1744.84 181.93,1744.41 368.04,1744.41 383.04,1729.41 509.28,1729.41 514.42,1724.27 v1(516.86,1724.27) ; RP12.4@1140,1305.91 1140.63,1305.91 1145,1301.53 v1(1145,1281.31)
  Bottom Layer w7: v1(516.86,1724.27) 516.86,1721.83 523.5,1715.19 523.5,1711.26 533.17,1701.6 596.9,1701.6 882.59,1415.91 1120.92,1415.91 1205,1499.99 1205,1645.91 ; EM2.3@1130,1720.91 1205,1645.91 ; v1(1145,1281.31) 1146.72,1283.03 1162.12,1283.03 1220,1340.91 1220,1630.91 1205,1645.91
M2EB: EM2.4 RP12.3 U2.57 | length 2295.2
  Top Layer w7: U2.57@181.5,1725.16 182.42,1724.24 215.35,1724.24 215.68,1723.91 371.57,1723.91 388.07,1707.41 526.88,1707.41 537.56,1718.1 v1(540,1718.1) ; v1(1120,1280) 1119.69,1280.31 1119.69,1317.3 1127.54,1325.15 1137.59,1325.15 RP12.3@1140,1327.56
  Bottom Layer w7: v1(540,1718.1) 597.37,1718.1 884.56,1430.91 1118.95,1430.91 1171.96,1483.92 1171.96,1542.87 1190,1560.91 1190,1620.25 1140.25,1670 1121.56,1670 1088.04,1703.52 1088.04,1778.94 EM2.4@1130,1820.91 1232,1718.91 1232,1335.94 1160.87,1264.81 1135.92,1264.81 1120.72,1280 v1(1120,1280)
M2IN1: U2.10 U4.17 | length 909.8
  Top Layer w7: U2.10@429.53,1516.5 429.76,1516.73 429.76,1605.67 v1(430,1605.91) ; v1(1010,1170.91) U4.17@1070,1170.91
  Bottom Layer w7: v1(430,1605.91) 456.96,1605.91 481.27,1581.6 547.19,1581.6 957.64,1171.15 1009.76,1171.15 v1(1010,1170.91)
M2IN2: U2.11 U4.16 | length 849.2
  Top Layer w7: U2.11@449.21,1516.5 449.21,1562.43 460.88,1574.1 v1(461.25,1574.1) ; v1(1010,1145.31) U4.16@1070,1145.31
  Bottom Layer w7: v1(461.25,1574.1) 462.98,1572.37 473.52,1572.37 476.3,1569.6 542.22,1569.6 966.5,1145.31 v1(1010,1145.31)
M2OUT1: EM2.1 U4.11 U4.12 | length 670.3
  Top Layer w40: 755,1080.91 778.66,1080.91 832.57,1080.91 915,1163.33 915,1356.36 1068.55,1509.91 1119,1509.91 EM2.1@1130,1520.91
M2OUT2: EM2.6 U4.7 U4.8 | length 1108.5
  Top Layer w40: 755,1180.91 778.66,1180.91 846.57,1180.91 870,1204.34 870,1375 1005,1510 1005,1997.47 1028.43,2020.91 EM2.6@1130,2020.91
M2PWM: U2.38 U4.15 | length 1294.5
  Top Layer w7: U2.38@449.21,1953.5 449.61,1953.11 449.61,1891.3 v1(450,1890.91) ; v1(1010,1119.72) U4.15@1070,1119.72
  Bottom Layer w7: v1(450,1890.91) 411.5,1890.91 357.96,1837.36 357.96,1652.95 453.31,1557.6 537.25,1557.6 975.12,1119.72 v1(1010,1119.72)
M3EA: EM3.3 RP34.2 U2.58 | length 2548.4
  Top Layer w7: U2.58@181.5,1705.47 181.71,1705.69 304.78,1705.69 v1(305,1705.91) ; v1(1630,1395.91) 1645,1395.91 1665.32,1375.59 1665.32,1357.5 1673.17,1349.65 1683.22,1349.65 RP34.2@1685.63,1347.24
  Bottom Layer w7: v1(305,1705.91) 335,1705.91 345,1695.91 345,1648.94 448.34,1545.6 532.28,1545.6 976.97,1100.91 1590,1100.91 1600,1110.91 1600,1365.91 v1(1630,1395.91) 1570.03,1395.91 1485,1480.94 1485,1615.91 EM3.3@1380,1720.91
M3EB: EM3.4 RP34.1 U2.59 | length 2656.6
  Top Layer w7: U2.59@181.5,1685.79 321.18,1685.79 326.06,1680.91 v1(328.5,1680.91) ; v1(1640,1415.91) 1641.97,1415.91 1677.32,1380.56 1677.32,1373.27 1681.69,1368.9 RP34.1@1685.63,1368.9
  Bottom Layer w7: v1(328.5,1680.91) 328.5,1648.46 443.37,1533.6 527.31,1533.6 973.18,1087.72 1593.79,1087.72 1612,1105.94 1612,1347.91 1646.5,1382.41 1646.5,1409.41 v1(1640,1415.91) 1638.28,1417.63 1623.75,1417.63 1623.47,1417.91 1565,1417.91 1497,1485.91 1497,1703.91 EM3.4@1380,1820.91
M3IN1: U2.24 U5.21 | length 1618.5
  Top Layer w7: v1(455,1745.91) 457.5,1743.41 538.02,1743.41 556.27,1725.16 U2.24@618.5,1725.16 ; v1(1560,1273.98) U5.21@1615.67,1273.98
  Bottom Layer w7: v1(455,1745.91) 456.44,1744.46 456.44,1727.41 518.25,1665.6 581.99,1665.6 867.68,1379.91 1027.06,1379.91 1076,1330.96 1076,1257.85 1105.06,1228.8 1514.82,1228.8 v1(1560,1273.98)
M3IN2: U2.25 U5.22 | length 1601.1
  Top Layer w7: v1(470,1760.91) 475.5,1755.41 542.99,1755.41 553.56,1744.84 U2.25@618.5,1744.84 ; v1(1560,1299.57) U5.22@1615.67,1299.57
  Bottom Layer w7: v1(470,1760.91) 471.91,1758.99 471.91,1728.91 523.22,1677.6 586.96,1677.6 872.65,1391.91 1032.03,1391.91 1088,1335.94 1088,1262.82 1110.03,1240.8 1501.23,1240.8 v1(1560,1299.57)
M3OUT1: EM3.1 U5.1 U5.2 | length 209.5
  Top Layer w40: 1306.93,1362.87 1306.93,1484.01 1330.36,1507.44 1366.54,1507.44 EM3.1@1380,1520.91
M3OUT2: EM3.6 U5.5 U5.6 | length 896.2
  Top Layer w40: 1291.69,1232.58 1281.19,1241.1 1250,1272.29 1250,1585.91 1295,1630.91 1295,1997.47 1318.43,2020.91 EM3.6@1380,2020.91
M3PWM: U2.39 U5.23 | length 1720.4
  Top Layer w7: U2.39@429.53,1953.5 429.53,1866.38 455,1840.91 v1(530,1840.91) ; v1(1560,1325.16) U5.23@1615.67,1325.16
  Bottom Layer w7: v1(530,1840.91) 493.21,1804.11 493.21,1724.58 528.19,1689.6 591.93,1689.6 877.62,1403.91 1037,1403.91 1100,1340.91 1100,1267.8 1115,1252.8 1487.64,1252.8 v1(1560,1325.16)
M4EA: EM4.3 RP34.4 U2.14 | length 2170.9
  Top Layer w7: U2.14@508.27,1516.5 508.27,1464.76 530,1443.03 530,1442.57 571.67,1400.91 595,1400.91 v1(614.17,1420.07) ; v1(1685,1280.91) 1685,1305.28 RP34.4@1685.63,1305.91
  Bottom Layer w7: v1(614.17,1420.07) 614.3,1420.07 958.65,1075.72 1598.76,1075.72 1630,1106.96 1630,1295.91 1645,1310.91 1670,1310.91 1685,1295.91 v1(1685,1280.91) 1710,1280.91 1725,1295.91 1725,1625.91 EM4.3@1630,1720.91
M4EB: EM4.4 RP34.3 U2.15 | length 2281
  Top Layer w7: U2.15@527.95,1516.5 527.95,1462.05 572.59,1417.41 v1(584.85,1417.41) ; v1(1663.69,1289.75) 1663.69,1315.67 1673.17,1325.15 1683.22,1325.15 RP34.3@1685.63,1327.56
  Bottom Layer w7: v1(584.85,1417.41) 938.53,1063.72 1603.73,1063.72 1647.83,1107.82 1647.83,1285.25 1651.93,1289.35 1663.29,1289.35 v1(1663.69,1289.75) ; EM4.4@1630,1820.91 1737,1713.91 1737,1290.94 1710.47,1264.41 1678.17,1264.41 1664.27,1278.3 1664.27,1289.3 v1@1663.75,1289.82